# Altium PCB BalloonBoard.PcbDoc (part 3 of 3)
Units mil, origin at the board's own origin, x right, y up, seen from the top; angles counter-clockwise.
Board outline 2165.35 x 2755.91 mil, 4 copper layers (Top Layer, Layer 1, Layer 2, Bottom Layer), stack 60.709 mil thick; 210 components, 133 nets, 735 pads, 259 vias.
Unrouted connection lines stored in the file: 29.
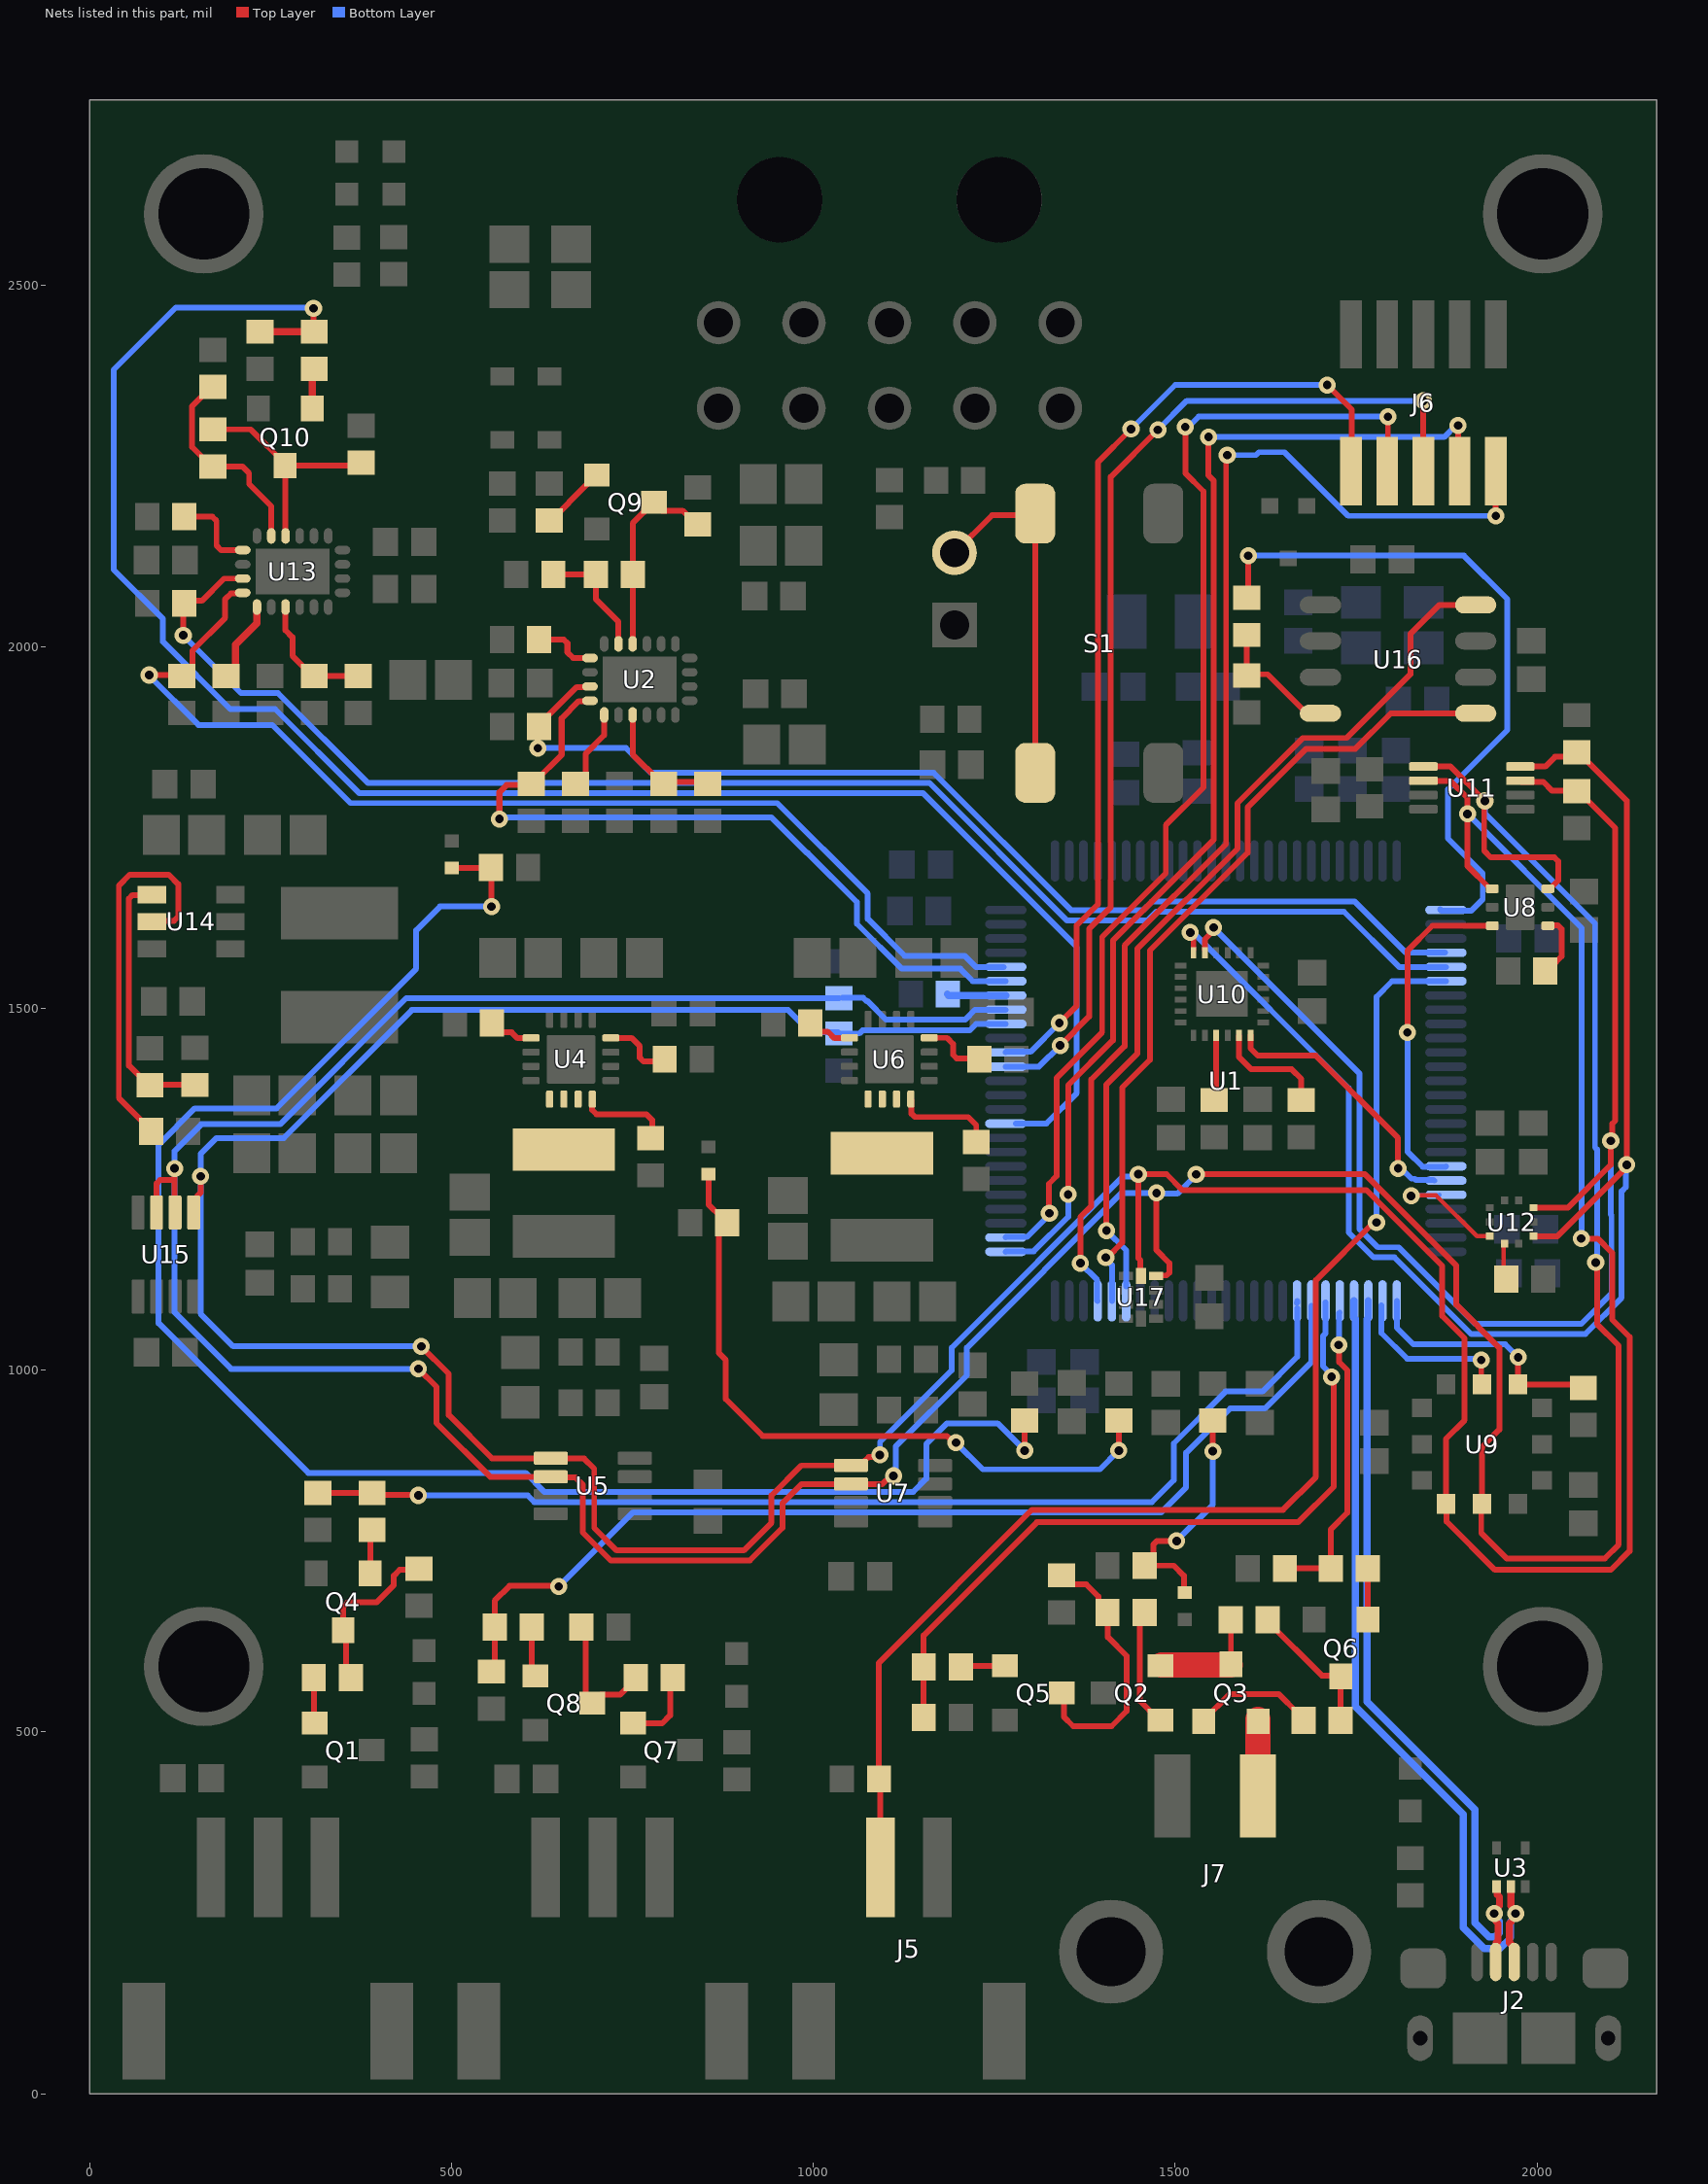
[diagram p5: the nets of this part, all layers, seen from the top]

## Via types
v1: diameter 23.62, hole 11.81, Top Layer to Bottom Layer, 259 vias

## Nets (pads, with @x,y where several pads share a name; then routed paths per layer and width w, separated by ;. In a path a pad name is that pad's centre, name@x,y a point inside that pad or via, vN(x,y) a via of type N, cw(c..) or ccw(c..) an arc to the next point about the centre after c; other vN are vias at no path point) (continued)
NetJ5_2: J5.2 R18.1 U1.31 | length 1797.6
  Top Layer w8: R18.1@1090,433 1092.52,430.48 J5.2@1092.52,312.99 ; R18.1@1090.59,435 1090.59,595.59 1302,807 1649,807 1694.38,852.38 1694.38,1124.38 1774.18,1204.18 v1(1778.18,1204.18)
  Bottom Layer w8: v1(1778.18,1204.18) 1778.33,1204.33 1778.33,1516.33 1799.8,1537.8 U1.31@1874.13,1537.8
NetJ6_6: J6.6 U1.90 | length 1384.3
  Top Layer w8: v1(1340,1480) 1364,1504 1364,1615 1393,1644 1393,2255 v1(1439,2301) ; v1(1710,2362) 1744,2328 J6.6@1744,2241
  Bottom Layer w8: U1.90@1265.87,1439.37 1266.6,1440.1 1300.1,1440.1 v1(1340,1480) ; v1(1439,2301) 1500,2362 v1(1710,2362)
NetJ6_7: J6.7 U1.77 | length 1601.4
  Top Layer w8: v1(1326.08,1216.92) 1325.38,1217.62 1325.38,1257.75 1336,1268.37 1336,1404 1399,1467 1399,1599 1487,1687 1487,1753.66 1539,1805.66 1539,2215 1514,2240 v1(1514,2304) ; J6.7@1794,2264 v1(1794,2318.19)
  Bottom Layer w8: U1.77@1265.87,1183.46 1266.6,1184.19 1295.19,1184.19 1326.08,1215.08 v1(1326.08,1216.92) ; v1(1514,2304) 1518.23,2304 1532.42,2318.19 v1(1794,2318.19)
NetJ6_8: J6.8 U1.89 | length 1474.7
  Top Layer w8: v1(1341,1449) 1381,1489 1381,1610 1411,1640 1411,2235 v1(1476,2300) ; J6.8@1843,2243.02 v1(1843,2340)
  Bottom Layer w8: U1.89@1265.87,1419.69 1311.69,1419.69 v1(1341,1449) ; v1(1476,2300) 1516,2340 v1(1843,2340)
NetJ6_9: J6.9 U1.76 | length 1666.7
  Top Layer w8: v1(1352,1243) 1352,1394 1414,1456 1414,1594 1553,1733 1553,2230 1546,2237 v1(1546,2290) ; v1(1891,2306) 1891,2264 J6.9@1893,2262
  Bottom Layer w8: U1.76@1265.87,1163.78 1266.6,1164.51 1304.51,1164.51 1352,1212 v1(1352,1243) ; v1(1546,2290) 1871.7,2290 1887.7,2306 v1(1891,2306)
NetJ6_10: J6.10 U1.72 | length 1729.9
  Top Layer w8: v1(1369,1148) 1369,1212 1384,1227 1384,1402 1430,1448 1430,1587 1570.3,1727.3 1570.3,2263.3 v1(1572,2265) ; J6.10@1942,2255 J6.10@1946,2259 ; v1(1943,2181) J6.10@1943,2233
  Bottom Layer w8: v1(1369,1148) 1392.11,1124.89 1392.11,1096.6 U1.72@1392.83,1095.87 ; v1(1572,2265) 1611.61,2265 1615.61,2269 1651,2269 1739,2181 v1(1943,2181)
NetJ7_1: J7.1 Q3.2 | length 105.8
  Top Layer w35: J7.1@1614.17,411.57 1614.29,411.69 Q3.2@1614.29,517.29
NetJ8_2: J8.2 S1.3 S1.4 | length 518.7
  Top Layer w8: J8.2@1195,2130 1247,2182 S1.3@1306.42,2182 ; S1.3@1306.42,2184.13 S1.3@1306.42,2182 ; S1.4@1308,1799 1306.42,1800.58 S1.4@1306.42,1825.87 S1.3@1306.42,2182
NetL1_1: L1.1 U4.1 U4.2 U4.3
NetL2_1: L2.1 U6.1 U6.2 U6.3
NetQ1_1: Q1.1 R5.2 | length 60.2
  Top Layer w8: R5.2@309.41,575 310,574.41 Q1.1@310,515
NetQ2_1: Q2.1 R6.2 | length 160.7
  Top Layer w8: R6.2@1457.59,665 1451,658.41 1451,543 1475,519 Q2.1@1475,517
NetQ2_2: Q2.2 Q3.3 R4.2 | length 164.3
  Top Layer w8: R4.2@1571,658 1577,652 Q3.3@1577,593.37 ; Q3.3@1574.6,591.4 Q3.3@1575,591
  Top Layer w25: Q2.2@1481,593 Q2.2@1481.61,592.39 ; Q3.3@1576.02,592.39 Q3.3@1577,593.37
  Top Layer w35: Q2.2@1481.61,592.39 Q3.3@1576.02,592.39
NetQ3_1: Q3.1 R7.2 | length 159.8
  Top Layer w8: Q3.1@1539.6,514.63 1539.6,516.6 1575,552 1643.38,552 1669.38,526 R7.2@1672,526
NetQ4_1: Q4.1 R8.1 | length 61.3
  Top Layer w8: Q4.1@387.4,719.37 387.4,778.4 R8.1@389,780
NetQ4_3: Q4.3 R1.1 R5.1 | length 230.5
  Top Layer w8: Q4.3@341,640 354.09,626.91 354.09,581.5 R5.1@360.59,575 ; Q4.3@350,650 350,673 356,679 396,679 420,703 420,716 428,724 453.41,724 R1.1@455,725.59
NetQ5_1: Q5.1 R9.1 | length 63.9
  Top Layer w8: R9.1@1201,592 1201.6,591.4 Q5.1@1264.63,591.4
NetQ5_3: Q5.3 R2.1 R6.1 | length 377.3
  Top Layer w8: R2.1@1343,716.59 1355.73,703.86 1377.14,703.86 1393.68,687.32 1393.68,665.32 R6.1@1397,662 ; Q5.3@1343.37,554 1346,551.37 1346,521 1359,508 1412,508 1433,529 1433,605 1407,631 1407,668 R6.1@1409,670
NetQ6_1: Q6.1 R10.1 | length 74.4
  Top Layer w8: R10.1@1766,726 1766,653 Q6.1@1767,652
NetQ6_3: Q6.3 R4.1 R7.1 | length 210.5
  Top Layer w8: R4.1@1627.59,655 1627.59,653.03 1702.62,578 Q6.3@1728.59,578 ; Q6.3@1728,585 1728.59,584.41 Q6.3@1728.59,578 ; R7.1@1728.59,516 Q6.3@1728.59,578 ; Q6.3@1735,576 1733,578 Q6.3@1728.59,578
NetQ7_1: Q7.1 R15.2 | length 108
  Top Layer w8: Q7.1@752,512 791,512 802,523 802,571.41 R15.2@805.59,575
NetQ8_1: Q8.1 R16.1 | length 72.8
  Top Layer w8: R16.1@610.59,645 610.59,578.41 Q8.1@615,574
NetQ8_3: Q8.3 R14.1 R15.1 | length 162.8
  Top Layer w8: R14.1@679.41,645 685.25,639.16 685.25,551.75 Q8.3@692,545 ; Q8.3@694.37,540 706.12,551.75 733.13,551.75 742,560.62 R15.1@742,562
NetQ9_1: Q9.1 R39.1 | length 92.5
  Top Layer w8.17: R39.1@635,2174.41 636.97,2174.41 687,2224.44 687,2225.74 698.66,2237.4 Q9.1@700.63,2237.4
NetQ9_3: Q9.3 R27.1 R32.2 U2.14 | length 282.3
  Top Layer w8.17: U2.14@750.16,2004.21 750.16,2170.79 765.74,2186.37 765.74,2188.34 777.4,2200 Q9.3@779.37,2200 791.03,2188.34 819.1,2188.34 838.03,2169.41 R27.1@840,2169.41
NetQ10_1: Q10.1 R71.1 | length 56.1
  Top Layer w10: Q10.1@307.4,2329.37 307.4,2381.81 R71.1@310,2384.41
NetQ10_3: Q10.3 R61.1 R65.2 U13.14 | length 325.7
  Top Layer w8: R65.2@170,2300.59 222.01,2300.59 270,2252.6 Q10.3@270,2250.63 ; U13.14@270.31,2153.43 270.31,2250.32 Q10.3@270,2250.63 ; R61.1@375,2254.41 371.22,2250.63 Q10.3@270,2250.63
NetR8_2: R8.2 R11.2 U1.58 | length 1545.8
  Top Layer w8: R11.2@315,830.59 R8.2@390,830.59 392.59,828 456,828 455,827 v1(454,827)
  Bottom Layer w8: v1(454,827) 605,827 614.09,817.91 1467.91,817.91 1498,848 1498,899 1569.57,970.57 1620.57,970.57 1668.43,1018.43 U1.58@1668.43,1085.57 ; U1.58@1668,1093 1668.43,1093.43 U1.58@1668.43,1095.87
NetR9_2: R9.2 R12.2 U1.56 | length 1027.9
  Top Layer w8: R12.2@1152.41,520 R9.2@1152.41,590 1152.41,633.41 1308.81,789.81 1669.81,789.81 1719,839 1719,988 v1(1716.19,990.81)
  Bottom Layer w8: U1.56@1708,1094 1707.8,1093.8 1707.8,1050.88 1704.19,1047.28 1704.19,1005.74 1716.19,993.74 v1(1716.19,990.81)
NetR10_2: R10.2 R13.2 U1.55 | length 434.8
  Top Layer w8: R13.2@1651.59,726 1712,726 R10.2@1716,722 ; R10.2@1714.82,726 1714.82,779.82 1738,803 1738,999.87 1726.68,1011.19 1726.68,1034.32 v1(1726,1035)
  Bottom Layer w8: v1(1726,1035) 1726.75,1035.75 1726.75,1078.79 U1.55@1727.48,1079.52
NetR16_2: R16.2 R17.2 U1.57 | length 1473.2
  Top Layer w8: R17.2@560,581 559.41,581.59 R16.2@559.41,645 559.41,681.41 580,702 648,702 v1(648,701)
  Bottom Layer w8: v1(648,701) 750.81,803.81 1480.81,803.81 1515,838 1515,886 1576,947 1624,947 1688,1011 1688,1025 1688.11,1025.11 U1.57@1688.11,1088.89
NetR19_1: R19.1 U1.94 | length 81.6
  Bottom Layer w10: R19.1@1185,1520 1186.89,1518.11 U1.94@1265.87,1518.11
NetR20_1: R20.1 U1.92 U5.5 U7.5 U8.1 U9.3 U11.6 U15.5 U17.10 | length 5885.4
  Top Layer w8: U15.5@143,1220 148.24,1225.24 148.24,1240.62 153,1245.38 v1(153,1268) ; v1(458,1033) 496,995 496,938 555.61,878.39 U5.5@636.93,878.39 ; U5.5@638,878 683,878 697,864 697,782 728,751 903.85,751 942,789.15 942,827 983.39,868.39 1066.69,868.39 1071.55,873.24 1071.55,875.32 1076.24,880.01 1088.83,880.01 v1(1091.82,883) ; U17.10@1453,1131 1451.84,1132.16 1451.84,1152.16 1449,1155 v1(1449,1271) 1451.84,1271 1488,1271 1510,1249 1764.2,1249 1869,1144.2 1869,1075 1900,1044 1900,931 1874,905 U9.3@1874,815 ; U11.6@1843.07,1814.84 1880.16,1814.84 1904,1791 1904,1696.87 1933.37,1667.5 1935.5,1667.5 U8.1@1937,1666 ; U9.3@1875,815 1875,791 1942,724 2102,724 2128,750 2128,1046 2104,1070 2104,1162 2084,1182 v1(2061.19,1182)
  Bottom Layer w8: v1(458,1033) 198,1033 153,1078 v1(153,1268) 153,1299 175,1321 268,1321 445,1498 965,1498 996,1467 1033.59,1467 R20.1@1035,1465.59 1063.59,1465.59 1067.81,1469.81 1216.02,1469.81 1224.61,1478.39 1265.52,1478.39 U1.92@1265.87,1478.74 ; v1(1091.82,883) 1092,883.18 1092,901 1191,1000 1191,1031 1428.01,1268.01 1446.01,1268.01 v1(1449,1271) ; v1(1904,1769) 2062,1611 2062,1182.81 v1(2061.19,1182)
NetR21_1: R21.1 U1.93 U5.6 U7.6 U8.6 U9.2 U11.5 U15.6 U15.7 U17.9 | length 6090.1
  Top Layer w8: U15.7@92.2,1218.07 92.2,1258.2 97,1263 117,1263 ; U15.6@117,1231 117,1263 ; v1@118,1278 117,1277 117,1263 ; v1(454,1002) 479,977 479,927 553.2,852.8 U5.6@636.93,852.8 ; U5.6@639,852 671,852 681,842 681,776 720,737 912,737 957,782 957,816 983.8,842.8 1095.31,842.8 1106.41,853.9 v1(1110.64,853.9) ; v1(1474.15,1245) 1474,1244.85 1474,1166 1492,1148 1492,1135 1488,1131 1476,1131 U17.9@1475,1130 ; v1(1529,1270.81) 1762.19,1270.81 1888.5,1144.5 1888.5,1090.5 1948,1031 1948,918 1924,894 U9.2@1924,815 ; U11.5@1843.07,1834.53 1880.47,1834.53 v1(1928,1787) 1927,1786 1927,1718 1936,1709 2024,1709 2029.19,1703.81 2029.19,1676.83 2019.86,1667.5 2019.86,1666.86 U8.6@2018,1665 ; U9.2@1923,815 1923,775 1958,740 2094,740 2113,759 2113,1034 2083,1064 2083,1147.19 v1(2081.19,1149)
  Bottom Layer w8: v1(454,1002) 195,1002 117,1080 v1(117,1279) 117,1303 154,1340 263,1340 437.41,1514.41 R21.1@1035,1514.41 ; R21.1@1040,1515 1068.7,1515 1073.7,1510 1075,1510 1100.47,1484.53 1209.53,1484.53 1223.08,1498.08 1265.52,1498.08 U1.93@1265.87,1498.43 ; v1(1110.64,853.9) 1113.63,856.89 1113.63,894.63 1212,993 1212,1031 1426,1245 v1(1474.15,1245) ; v1@1474,1245 1475,1244 1503,1244 1529,1270 v1(1529,1270.81) ; v1(1928,1787) 1928,1770 2080.19,1617.81 2080.19,1307.97 2083,1305.15 2083,1150.81 v1(2081.19,1149)
NetR24_1: R24.1 U4.13 | length 64.6
  Top Layer w8: R24.1@549,1468 550,1467 583,1467 591,1459 609.39,1459 U4.13@609.76,1459.37
NetR28_1: R28.1 U1.95 U2.20 | length 1049.9
  Top Layer w8.17: v1(566,1762) 566,1799 576,1809 608.41,1809 R28.1@610,1810.59 ; R28.1@616,1812 616,1814.62 652,1850.62 652,1901 675.78,1924.78 690.41,1924.78 U2.20@691.1,1925.47
  Bottom Layer w8: v1(566,1762) 568,1764 942,1764 991,1715 ; 992,1715 1060,1647 1060,1617 1122,1555 1203,1555 1220.2,1537.8 U1.95@1265.87,1537.8
NetR30_1: R30.1 U4.4 | length 133.1
  Top Layer w8: U4.4@694.41,1374.72 694,1374.32 694,1360 700,1354 769,1354 777,1346 777,1318 R30.1@776,1317
NetR31_1: R31.1 R33.2 U2.3 | length 174
  Top Layer w8.17: U2.3@750.16,1905.79 750.16,1851.46 787,1814.62 R33.2@787,1814 ; R33.2@793,1810.59 795.41,1813 R31.1@859,1813
NetR32_1: R32.1 R38.2 U2.15 | length 167.5
  Top Layer w8.17: R38.2@640.59,2100 R32.1@699.41,2100 699.41,2065.59 730.47,2034.53 U2.15@730.47,2004.21
NetR34_2: R34.2 U2.17 | length 88.4
  Top Layer w8.17: R34.2@620.59,2010 655,2010 660,2005 660,1992.54 668.02,1984.53 U2.17@691.1,1984.53
NetR35_2: R35.2 U1.29 U2.19 | length 1506.3
  Top Layer w8.17: v1(619,1860) 619,1888.41 R35.2@620.59,1890 620.59,1891.97 673.08,1944.46 690.41,1944.46 U2.19@691.1,1945.16
  Bottom Layer w8: v1(619,1860) 741,1860 775,1826 1165.98,1826 1355.98,1636 1456,1636 1467.81,1647.81 1748.19,1647.81 1818.83,1577.17 U1.29@1873.17,1577.17
NetR36_2: R36.2 U2.1 | length 110.5
  Top Layer w8.17: R36.2@685,1806 685,1852 710.79,1877.79 U2.1@710.79,1905.79
NetR37_2: R37.2 U4.8 | length 93.8
  Top Layer w8: U4.8@720,1459.37 748.63,1459.37 760,1448 760,1432 765,1427 R37.2@791,1427
NetR42_1: R42.1 U6.13 | length 56.8
  Top Layer w8: R42.1@997,1468 1020,1468 1029,1459 1049.35,1459 U6.13@1049.88,1459.53
NetR45_1: R45.1 U6.4 | length 142
  Top Layer w8: U6.4@1134.53,1374.88 1135.45,1373.96 1135.45,1354.69 1140.14,1350 1214,1350 1225,1339 R45.1@1225,1315.59 1225,1315 R45.1@1226,1314
NetR46_2: R46.2 U6.8 | length 86.5
  Top Layer w8: U6.8@1160.12,1459.53 1184.47,1459.53 1193,1451 1193,1436 1198,1431 R46.2@1226,1431
NetR47_1: R47.1 U1.51 U9.9 | length 342.1
  Top Layer w8: U9.9@1973,985 1974,986 v1(1974,1018) ; U9.9@1974,980.35 2057.65,980.35 R47.1@2060,978
  Bottom Layer w8: U1.51@1806.22,1095.87 1806.22,1058.78 1829,1036 1956,1036 v1(1974,1018)
NetR48_2: R48.2 U8.4 | length 92.7
  Top Layer w8: R48.2@2006,1559 2021,1559 2034,1572 2034,1610 2029,1615 2015.59,1615 U8.4@2015,1614.41
NetR50_1: R50.1 U10.23 U11.3 U12.2 | length 1920
  Top Layer w8: U10.23@1541.07,1581.05 1541.07,1595.84 1553,1607.77 v1(1553,1612) ; U11.3@1976.93,1814.84 1978.39,1813.39 2008.61,1813.39 2021,1801 R50.1@2055,1801 ; U12.2@1997,1225 2043,1225 2102,1284 v1(2102,1317) ; R50.1@2055,1800.59 2056.97,1800.59 2108,1749.56 2108,1344.81 2104,1340.81 v1@2104,1319.19
  Bottom Layer w8: v1(1553,1612) 1755,1410 1755,1195 1780,1170 1809,1170 1915,1064 2061,1064 2103,1106 2103,1214.49 2102,1215.49 v1(2102,1317)
NetR51_1: R51.1 U10.24 U11.4 U12.4 | length 2034.2
  Top Layer w8: v1(1520.85,1605.15) 1520.85,1600.92 1525.26,1596.51 U10.24@1525.26,1581.05 ; U11.4@1976.93,1834.53 2011.53,1834.53 2025,1848 R51.1@2058,1848 ; U12.4@1996,1185.77 1996.45,1185.31 2028.31,1185.31 2124,1281 2124,1787.38 2060.69,1850.69 2056.97,1854.41 R51.1@2055,1854.41
  Bottom Layer w8: v1(1520.85,1605.15) 1524.85,1605.15 1740,1390 1740,1190.2 1774.2,1156 1803,1156 1909,1050 2066.8,1050 2117,1100.2 2117,1247.3 2122.83,1253.14 2122.83,1282.83 v1(2124,1284)
NetR52_1: R52.1 U10.11 | length 157
  Top Layer w8: U10.11@1588.25,1462.25 1588.25,1432.75 1605,1416 1661,1416 1674,1403 R52.1@1674,1373.59
NetR53_1: R53.1 U10.9 | length 85.9
  Top Layer w6: R53.1@1556.76,1380.24 R53.1@1559,1378
  Top Layer w8: R53.1@1556.76,1380.24 U10.9@1556.76,1463
NetR54_2: R54.2 U12.6 | length 52.1
  Top Layer w6: R54.2@1949.41,1120 R54.2@1953.05,1123.64 ; R54.2@1953.64,1128.64 1953.64,1173.44 U12.6@1955.16,1174.96
NetR55_1: R55.1 R58.2 R86.1 | length 2397
  Top Layer w8.17: R58.2@500,1695 500.7,1694.3 553.71,1694.3 R55.1@554,1694.59 ; v1(555,1641) 555,1693.59 R55.1@554,1694.59 ; R55.1@555,1695.59 R55.1@554.41,1695 R55.1@554,1694.59 ; v1(1292,889) 1292,924 R86.1@1293,925
  Bottom Layer w8.17: v1(555,1641) 484,1641 451,1608 451,1555 258,1362 145,1362 95,1312 95,1065 302,858 602,858 628,832 1138,832 1156,850 1156,898 1184.61,926.61 1254.39,926.61 v1(1292,889)
NetR56_1: R56.1 R59.2 R87.1 | length 954.9
  Top Layer w8: R59.2@855,1271.3 855,1229 R56.1@872,1212 ; R56.1@880.59,1204 869,1192.41 869,1024 879,1014 879,960 930,909 1184.5,909 1193.5,900 v1(1197,900) ; R87.1@1418,929 1422,925 v1(1422,889)
  Bottom Layer w8: v1(1197,900) 1234,863 1396,863 v1(1422,889)
NetR57_1: R57.1 R60.2 R88.1 | length 339.6
  Top Layer w8: v1(1502,764) 1474.69,764 1470,759.31 1470,742.41 R57.1@1457.59,730 1498,730 1512,716 1512,695 R60.2@1514,693 ; v1(1552,888) R88.1@1552,930.41
  Bottom Layer w8: v1(1502,764) 1552,814 v1(1552,888)
NetR62_1: R62.1 U1.96 U13.20 | length 1576.9
  Top Layer w8: v1@81,1961 v1(82,1961) 125.59,1961 R62.1@127,1959.59 ; R62.1@127,1959 R62.1@133,1959 ; R62.1@131,1963 132.38,1963 141.7,1972.32 141.7,1994.7 187,2040 187,2066 194.96,2073.96 210.53,2073.96 U13.20@211.26,2074.68
  Bottom Layer w8: v1(82,1961) 82,1960 150,1892 252,1892 360,1784 950,1784 1075,1659 1075,1624 1126,1573 1209,1573 1224.52,1557.48 1262.52,1557.48 U1.96@1263,1557
NetR64_1: R64.1 R66.2 U13.3 | length 167.7
  Top Layer w8: U13.3@270.31,2055 270.31,2022.81 280,2013.13 280,1987.62 298,1969.62 R66.2@298,1969 ; R66.2@310,1959.59 379.41,1959.59 R64.1@380,1959
NetR65_1: R65.1 R70.2 U13.15 | length 289.2
  Top Layer w8: R70.2@170,2359.41 168.03,2359.41 141.3,2332.68 141.3,2276.14 168.03,2249.41 R65.1@170,2249.41 210.59,2249.41 220,2240 220,2225 250.63,2194.37 U13.15@250.63,2153.43
NetR67_2: R67.2 U13.17 | length 119.8
  Top Layer w8: R67.2@130.59,2180 169.14,2180 175,2174.14 175,2140 181.26,2133.74 U13.17@211.26,2133.74
NetR68_2: R68.2 U1.30 U13.19 | length 2084.4
  Top Layer w8: v1(129,2016) 129,2058.41 134.16,2063.57 154.64,2063.57 185.43,2094.37 U13.19@211.26,2094.37
  Bottom Layer w8: v1(129,2016) 209,1936 260,1936 384,1812 1160.18,1812 1350.18,1622 1461.8,1622 1473.61,1633.81 1733.19,1633.81 1809.52,1557.48 U1.30@1874.13,1557.48
NetR69_2: R69.2 U13.1 | length 105.4
  Top Layer w10: R69.2@201,1962 201,2003 230.6,2032.6 230.6,2054.65 U13.1@230.94,2055
NetR71_2: R71.2 R72.2 U1.85 | length 2565.3
  Top Layer w8: v1(309,2468) 309,2436.59 R71.2@310,2435.59
  Top Layer w10: R72.2@235,2435.59 R71.2@310,2435.59
  Bottom Layer w8: v1(309,2468) 308,2469 119,2469 33,2383 33,2106.63 101,2038.63 101,2007 194,1914 256,1914 372,1798 1151.11,1798 1364,1585.11 1364,1383 1321.94,1340.94 U1.85@1280.06,1340.94
NetR74_2: R74.2 U14.5 | length 534.5
  Top Layer w8: R74.2@84.41,1330 84.41,1331.97 40,1376.38 40,1670 55,1685 109,1685 122,1672 122,1627 116,1621 U14.5@87,1621
NetR75_1: R75.1 R78.2 U14.4 | length 376.6
  Top Layer w8: R78.2@83,1394 81.03,1394 54,1421.03 54,1652 59,1657 U14.4@98,1657 ; R78.2@85.59,1394.41 R75.1@145,1394.41
NetR79_1: R79.1 R80.2 U16.8 | length 188.2
  Top Layer w8: R80.2@1595,1955 R80.2@1600,1960 ; R80.2@1598,1962 R80.2@1599,1963 ; R79.1@1599,2016.41 R80.2@1599,1963 ; R80.2@1602,1959 1599,1962 R80.2@1599,1963 ; R80.2@1602,1962 1627.7,1962 1681.7,1908 U16.8@1700.72,1908
NetR79_2: R79.2 U1.26 | length 978.4
  Top Layer w8: R79.2@1598,2066 1601,2069 v1(1601,2126)
  Bottom Layer w8: v1@1602,2126 1899,2126 1959,2066 1959,1885 1877,1803 1877,1735 1925,1687 1925,1651 1909,1635 1908.51,1635.49 1867.51,1635.49 U1.26@1866,1637
NetU1_44: U1.44 U8.3 | length 471.4
  Top Layer w8: v1(1821,1467) 1821,1580 1855.41,1614.41 1937.41,1614.41 U8.3@1938,1615
  Bottom Layer w8: v1(1821,1467) 1821,1302.32 1842.16,1281.16 1873.4,1281.16 U1.44@1874.13,1281.89
NetU1_45: U1.45 U10.12 | length 372.4
  Top Layer w8: U10.12@1604,1463 1604,1445 1614,1435 1694,1435 1808,1321 v1(1808,1279)
  Bottom Layer w8: v1(1808,1279) 1812.23,1279 1826.53,1264.7 1831.01,1264.7 1832.77,1262.93 1857.07,1262.93 U1.45@1858,1262
NetU1_46: U1.46 U12.7 | length 172.5
  Top Layer w6: v1(1826,1241) 1827,1242 1860.24,1242 1916.93,1185.31 U12.7@1934.47,1185.31
  Bottom Layer w6: v1(1826,1241) 1826.76,1241.76 1864.72,1241.76 U1.46@1865.48,1242.52
NetU1_52: U1.52 U9.8 | length 226.2
  Top Layer w8: v1(1923,1014.19) 1923,981.35 U9.8@1924,980.35
  Bottom Layer w8: U1.52@1785,1090 1785,1051.44 1820.44,1016 1921.19,1016 v1(1923,1014.19)
NetU1_70: U1.70 U16.4 | length 1223.2
  Top Layer w8: v1(1405,1193) 1405,1395 1448,1438 1448,1583 1586,1721 1586,1783.8 1676.2,1874 1737,1874 1825,1962 1825,2018 1865,2058 U16.4@1909,2058
  Bottom Layer w8: v1(1405,1193) 1432.2,1165.8 U1.70@1432.2,1116.2
NetU1_71: U1.71 U16.1 | length 1137.3
  Top Layer w8: v1(1404,1156) 1406.23,1156 1426.81,1176.58 1426.81,1390.81 1465,1429 1465,1580.14 1600,1715.14 1600,1778 1681,1859 1749,1859 1798,1908 U16.1@1915.28,1908
  Bottom Layer w8: v1(1404,1156) 1404,1153.77 1412.52,1145.25 U1.71@1412.52,1095.87
USB_HEADER_N: J2.2 U1.53 U3.1 | length 1096.1
  Top Layer w9.9: v1(1940.9,248.98) 1940.9,252.7 1948.1,259.9 1948.1,272.07 1945.27,274.91 1945.27,285.47 U3.1@1944.32,286.43 ; J2.2@1942.91,182.09 1944.03,183.21 1944.03,208.44 1946.12,210.53 1946.12,235.28 v1@1943.55,237.85
  Bottom Layer w9.9: U1.53@1766.85,1095.87 1766.85,1072.71 1764.96,1070.82 1764.96,541.97 1914.24,392.68 1914.24,236.07 1933.78,216.53 1941.98,216.53 1947.78,222.33 1947.78,238.39 1940.9,245.27 v1(1940.9,248.98)
USB_HEADER_P: J2.3 U1.54 U3.2 | length 1134.8
  Top Layer w9.9: 1964,259.77 U3.2@1964,286.43 ; 1964.55,237.83 1962.01,235.29 1962.01,208.86 1968.5,202.37 J2.3@1968.5,182.09
  Bottom Layer w9.9: U1.54@1747.17,1095.87 1747.17,1072.71 1749.06,1070.82 1749.06,535.39 1898.35,386.1 1898.35,229.49 1927.2,200.64 1948.56,200.64 1963.67,215.74 1963.67,238.44 1970.52,245.29 v1(1970.52,249)
pads on no net: J1.M J3.M J4.M J5.M J6.4 U1.1 U1.2 U1.3 U1.4 U1.7 U1.15 U1.16 U1.17 U1.18 U1.23 U1.24 U1.25 U1.32 U1.33 U1.34 U1.35 U1.36 U1.37 U1.38 U1.39 U1.40 U1.41 U1.42 U1.43 U1.47 U1.48 U1.59 U1.60 U1.61 U1.62 U1.65 U1.66 U1.67 U1.68 U1.69 U1.78 U1.79 U1.80 U1.81 U1.82 U1.83 U1.84 U1.86 U1.87 U1.88 U1.91 U4.17@664.88,1429.84 U6.17@1105,1430 U9.1 U9.5 U9.7 U9.11 U10.1 U10.2 U10.3 U10.4 U10.5 U10.6 U10.7 U10.14 U10.15 U10.16 U10.17 U10.19 U10.21 U10.25 U17.2 U17.7

## Polygon pours and split planes (outlines as drawn)
GND on Top Layer "Top Layer-GND" (solid, remove dead copper, pour order 30): 0,0 2165.35,0 2165.35,2755.91 0,2755.91
+3.3 on Top Layer "Top Layer-No Net 4" (solid, pour order 24): 597,978 560,978 545,993 522,993 515,986 515,938 532,921 555,921 567,933 597,933
+5 on Top Layer "Top Layer-+5 1" (solid, remove dead copper, pour order 22): 965,1686 955,1696 922,1696 922,1642 1027,1642 1035,1634 1035,1543 1070,1508 1070,1473 1120,1473 1120,1521 1139,1540 1164,1540 1164,1603 1155,1612 1087,1612 1082,1617 1082,1666 1062,1686
+5_Supply on Top Layer "Top Layer-+5_Supply" (solid, remove dead copper, pour order 10): 852,2372 826,2346 826,2314 852,2288 890,2250 890,2088 833,2031 770,2031 762,2023 762,1993 818,1993 818,1958 843,1958 852,1967 852,1994 904,2046 941,2046 943,2048 943,2098 950,2105 950,2274 910,2314 910,2347 885,2372
NetC38_2 on Top Layer "Top Layer-NetC38_2" (solid, remove dead copper, pour order 0): 1005,991 1062,991 1062,1057 1070,1065 1135,1065 1135,1140 1140,1145 1165,1145 1170,1150 1170,1210 1010,1210 1005,1205 935,1205 935,1150 995,1150 1005,1140
NetC27_2 on Top Layer "Top Layer-NetC38_2" (solid, remove dead copper, pour order 4): 565,1001 622,1001 622,1062 630,1070 700,1070 700,1145 705,1150 725,1150 730,1155 730,1215 570,1215 565,1210 495,1210 495,1155 555,1155 565,1145
+12_Supply on Top Layer "Top Layer-+12_Supply" (solid, remove dead copper, pour order 8): 338,2142 283,2142 283,2171 308,2196 375,2196 437,2258 437,2446 511,2520 552,2520 815,2520 845,2490 890,2490 910,2470 910,2425 890,2405 830,2405 775,2460 535,2460 494,2419 494,2233 430,2169 430,2125 380,2125 362,2107 338,2107
NetL2_1 on Top Layer "Top Layer-No Net" (solid, remove dead copper, pour order 20): 1069,1387 1069,1360 1048,1339 1028,1339 1021,1332 1021,1270 1167,1270 1167,1332 1160,1339 1128,1339 1120,1347 1120,1387
+12 on Top Layer "Top Layer-+12" (solid, remove dead copper, pour order 12): 338,2101 338,2066 284,2066 283,2065 283,2040 299,2024 385,2024 412,1997 412,1885 368,1841 136,1841 136,1704 169,1671 169,1643 217,1643 217,1692 233,1708 263,1708 263,1786 275,1798 395,1798 468,1871 468,2010 427,2051 427,2101
+5 on Top Layer "Top Layer-+5" (solid, remove dead copper, pour order 18): 883,1955 878,1952 818,1952 818,1917 764,1917 764,1884 786,1862 877,1862 902,1837 902,1695 891,1684 696,1684 647,1635 619,1635 600,1616 600,1533 628,1505 628,1473 682,1473 682,1507 705,1530 726,1530 731,1535 731,1628 745,1642 925,1642 955,1672 955,1899 939,1915 939,1955
NetL1_1 on Top Layer "Top Layer-No Net" (solid, remove dead copper, pour order 16): 630,1387 630,1365 609,1344 589,1344 582,1337 582,1275 728,1275 728,1337 721,1344 689,1344 681,1352 681,1387
NetC57_1 on Top Layer "Top Layer-No Net 1" (solid, remove dead copper, pour order 14): 173,1633 244,1633 263,1652 263,1669 427,1669 427,1594 259,1594 245,1608 173,1608
NetC58_2 on Top Layer "Top Layer-NetC58_2" (solid, remove dead copper, pour order 6): 390,1261 442,1209 442,1154 388,1154 388,1199 317,1270 260,1270 260,1525 425,1525 425,1450 390,1415
GND on Bottom Layer "Top Layer-GND" (solid, remove dead copper, pour order 32): 0,0 2165.35,0 2165.35,2755.91 0,2755.91
+1.8 on Layer 2 (split plane): 2068.94,1942.73 2068.94,1795 2069.17,1793.83 2069.84,1792.84 2098.94,1763.73 2098.94,1340.27 2016.84,1258.16 2016.17,1257.17 2015.94,1256 2015.94,1087.27 1988.73,1060.06 1449,1060.06 1447.83,1059.83 1446.84,1059.16 1343.73,956.06 1023,956.06 1021.83,955.83 1020.84,955.16 1006.84,941.16 991.73,926.06 967.27,926.06 963.06,930.27 963.06,956.73 981.27,974.94 1324,974.94 1325.17,975.17 1326.16,975.84 1426.16,1075.84 1426.83,1076.83 1427.06,1078 1427.06,1206 1426.83,1207.17 1426.16,1208.16 1396.06,1238.27 1396.06,1363.73 1417.27,1384.94 1457.73,1384.94 1463.94,1378.73 1463.94,1370.27 1459.73,1366.06 1432,1366.06 1430.83,1365.83 1429.84,1365.16 1422.84,1358.16 1422.17,1357.17 1421.94,1356 1421.94,1257 1422.17,1255.83 1422.84,1254.84 1447.94,1229.73 1447.94,1087 1448.17,1085.83 1448.84,1084.84 1454.84,1078.84 1455.83,1078.17 1457,1077.94 1974,1077.94 1975.17,1078.17 1976.16,1078.84 1994.16,1096.84 1994.83,1097.83 1995.06,1099 1995.06,1264.73 2074.16,1343.84 2074.83,1344.83 2075.06,1346 2075.06,1764 2074.83,1765.17 2074.16,1766.16 2046.06,1794.27 2046.06,1947.73 2053.27,1954.94 2056.73,1954.94
+5 on Layer 2 (split plane): 1997.84,2426.84 2002.94,2421.73 2002.94,2048.27 1997.73,2043.06 1989.27,2043.06 1975.06,2057.27 1975.06,2413 1974.83,2414.17 1974.16,2415.16 1942.16,2447.16 1794.16,2595.16 1793.17,2595.83 1792,2596.06 1640,2596.06 1638.83,2595.83 1637.84,2595.16 1552.73,2510.06 466,2510.06 464.83,2509.83 463.84,2509.16 434.84,2480.16 434.17,2479.17 433.94,2478 433.94,2385 434.17,2383.83 434.84,2382.84 948.94,1868.73 948.94,1656.27 938.73,1646.06 918.27,1646.06 909.06,1655.27 909.06,1679.73 918.16,1688.84 918.83,1689.83 919.06,1691 919.06,1868 918.83,1869.17 918.16,1870.16 897.16,1891.16 408.06,2380.27 408.06,2461 408.06,2493.73 447.27,2532.94 1532,2532.94 1533.17,2533.17 1534.16,2533.84 1618.27,2617.94 1806.73,2617.94
+3.3 on Layer 2 (split plane): 252 vertices, not listed, extent 114.06,471.06 2071.94,1935.94
+12 on Layer 2 (split plane): 298.94,1828.73 298.94,1795.27 286.73,1783.06 233,1783.06 231.83,1782.83 230.84,1782.16 201.84,1753.16 201.17,1752.17 200.94,1751 200.94,1699.27 98.84,1597.16 98.17,1596.17 97.94,1595 97.94,947 98.17,945.83 98.84,944.84 591.84,451.84 592.83,451.17 594,450.94 1056,450.94 1057.17,451.17 1058.16,451.84 1069.16,462.84 1069.83,463.83 1070.06,465 1070.06,584.73 1145.27,659.94 1266.73,659.94 1274.94,651.73 1274.94,648 1274.94,613.27 1262.73,601.06 1176,601.06 1174.83,600.83 1173.84,600.16 1129.84,556.16 1129.17,555.17 1128.94,554 1128.94,438.27 1081.73,391.06 562.27,391.06 39.06,914.27 39.06,1620.73 141.16,1722.84 141.83,1723.83 142.06,1725 142.06,1780.73 203.27,1841.94 285.73,1841.94
GND on Layer 2 (split plane): 2145.26,20.1 20.1,20.1 20.1,2735.81 2145.26,2735.81
GND on Layer 1 (split plane): 2145.26,20.1 20.1,20.1 20.1,2735.81 2145.26,2735.81

## Other copper
Top Layer:
  pour cut-out: 1728,2215 1728,2194 1694,2194 1694,2215
  pour cut-out: 1940.83,1242 1910,1242 1910,1211.17 1904.61,1211.17 1904.61,1248.17 1940.83,1248.17
  pour cut-out: 1591,1674.27 1591,1653 1572.76,1653 1572.76,1674
  pour cut-out: 1856.24,1626 1831.24,1605 1763.76,1605 1763.76,1626
  pour cut-out: 1564,1710 1564,1689 1530,1689 1530,1710
  pour cut-out: 1298,1761 1298,1740 1264,1740 1264,1761
  pour cut-out: 1479,1766 1479,1745 1445,1745 1445,1766
  pour cut-out: 433,1590 433,1531 253,1531 253,1590 427,1590
Bottom Layer:
  pour cut-out: 2006,1110 2006,1103 1972,1103 1972,1110
  pour cut-out: 1947,1238 1947,1231 1913,1231 1913,1238
  pour cut-out: 1708,1605 1708,1571 1668,1571 1668,1605
Layer 2 (plane layer: these items are gaps in the copper):
  lines w6: 689,1505 962,1505 983,1526 983,1675 1031,1723 1150,1723 1167,1740 1167,1894 1212,1939 1239,1939 1457,1939 ; 690,1505 636,1505 625,1505 617,1513 617,1659 610,1666 599,1666 596,1663 592,1659 592,1513 584,1505 528,1505 474,1505 392,1423 392,1275 520,1147 520,952 515,947 215,947 155,1007 122,1007 111,996 111,973 129,955 160,955 194,921 738,921 1028,631 1028,472 1032,468 1046,468 1049,471 1049,597 1049,640 1061,652 1102,652 1123,673 1277,673 1357,753 1421,753 1481,813 1481,886 1481,900 1563,982 1584,1003 1615,1003 1743,875 2070,875 2075,880 2075,891 2059,907 1761,907 1633,1035 1624,1044 1581,1044 1557,1020 1449,912 1449,819 1423,793 1344,793 1244,693 1021,693 750,964 575,964 556,983 556,1157 418,1295 418,1415 486,1483 679,1483 939,1483 950,1472 950,1377 956,1371 967,1371 974,1378 974,1480 1010,1516 1010,1665 1045,1700 1090,1700 1113,1700 1206,1607 1206,1046 1229,1023 1278,1023 1286,1031 1286,1041 1279,1048 1236,1048 1232,1052 1232,1618 1360,1746 1492,1746 1503,1757 1518,1757 1529,1746 1829,1746 1907,1668 1907,1271 1907,1161 1907,1144 1914,1137 1925,1137 1936,1148 1936,1169 1936,1279 1936,1676 1843,1769 1557,1769 1543,1783 1480,1783 1466,1769 1256,1769 1203,1769 1196,1776 1196,1892 1215,1911 1246,1911 1429,1911 1430,1912 1872,1912 1942,1842 2035,1749 2035,1703 2047,1691 2060,1691 2065,1696 2065,1753 2018,1800 2018,1888 2010,1896 1940,1896 1897,1939 1456,1939 ; 36,913 561,388 1083,388 1132,437 1132,554 1176,598 1264,598 1278,612 1278,648 1278,653 1268,663 1144,663 1067,586 1067,465 1056,454 594,454 101,947 101,1595 204,1698 204,1751 233,1780 288,1780 302,1794 302,1830 287,1845 202,1845 139,1782 139,1725 36,1622 36,913 ; 405,2379 405,2461 405,2495 446,2536 1532,2536 1617,2621 1808,2621 2000,2429 2006,2423 2006,2047 1999,2040 1988,2040 1972,2056 1972,2413 1940,2445 1792,2593 1640,2593 1554,2507 466,2507 437,2478 437,2385 952,1870 952,1655 940,1643 917,1643 906,1654 906,1681 916,1691 916,1868 895,1889 405,2379 ; 960,929 966,923 993,923 1009,939 1023,953 1345,953 1449,1057 1990,1057 2019,1086 2019,1256 2102,1339 2102,1765 2072,1795 2072,1944 2058,1958 2052,1958 2043,1949 2043,1793 2072,1764 2072,1346 1992,1266 1992,1099 1974,1081 1457,1081 1451,1087 1451,1231 1425,1257 1425,1356 1432,1363 1461,1363 1467,1369 1467,1380 1459,1388 1416,1388 1393,1365 1393,1237 1424,1206 1424,1078 1324,978 980,978 960,958 960,929

## Silkscreen, mask and mechanical layers (free items; w line width, h text height)
Top Overlay:
  circle w5.91: c157.48,590.55 r118.11
  circle w5.91: c2007.87,590.55 r118.11
  circle w5.91: c2007.87,2598.43 r118.11
  circle w5.91: c157.48,2598.43 r118.11
  lines w10: 775,924 804,895 808,895 885,895
  text "nRST      | GNDDET / NC/TDI    | KEY / SWO/TDO   | GND / CLK       | GND / SDWIO/TMS | 3V3" at 1714,2466 h15 r90
Bottom Overlay:
  text "BRICKWORKS 2021 / REV 1A 10/17/2021 / MATTHEW GLAZER" at 1105,1890 h60
Mechanical 1:
  the board outline again, w10